# KiCad board Keyboard.kicad_pcb (continued)
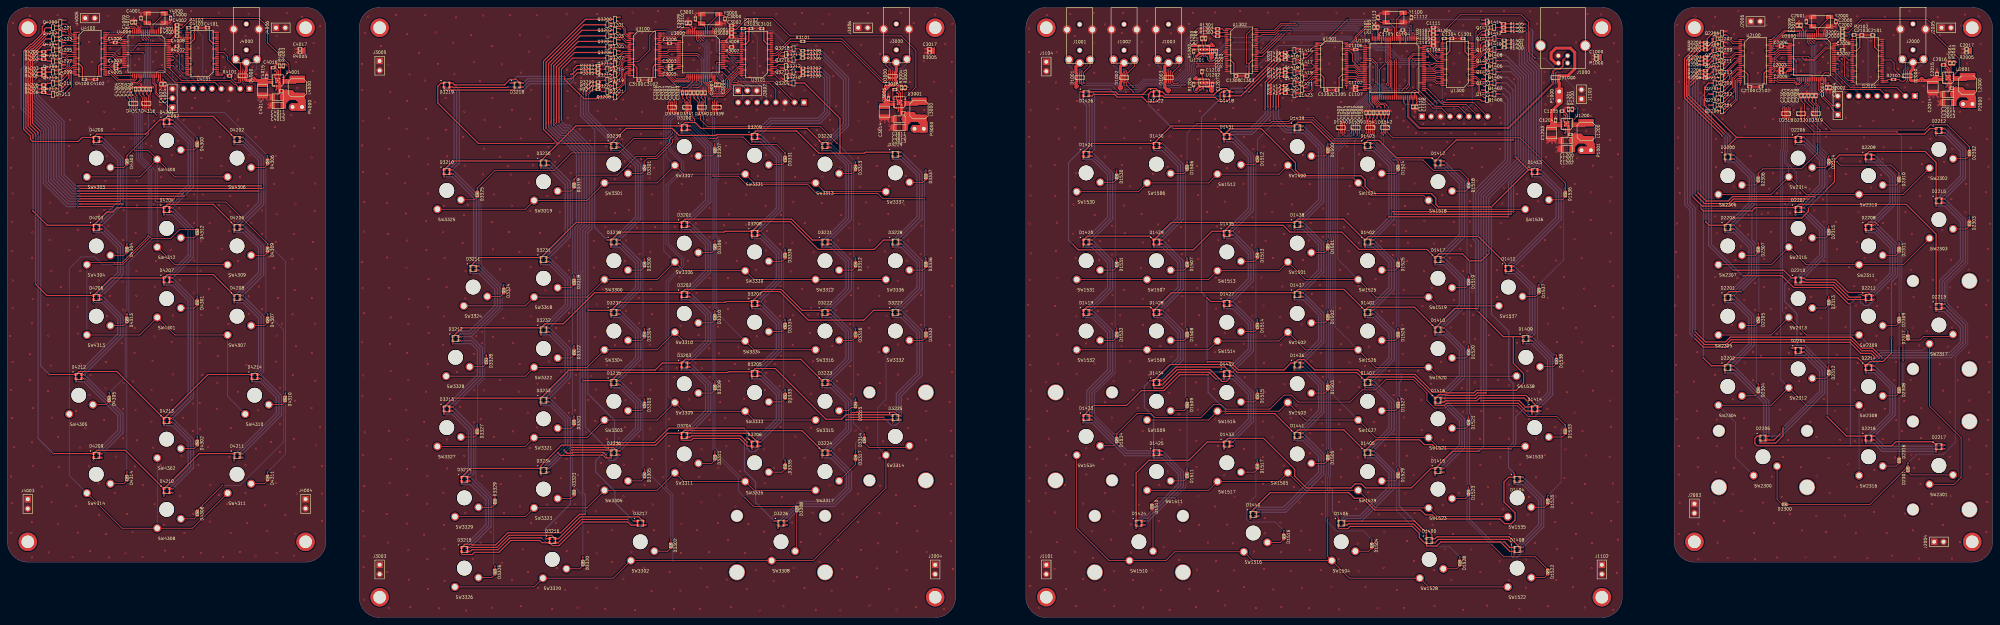
[diagram p0: board, top side]
## Routing (per net, layer and track width the routed paths; a pad name or vN(x,y) marks a point on that pad's centre or on a via; arc(x,y) is an arc through that point) (continued)
  In1.Cu w0.8: J1001.3 J1001.3 298.07,159 J1002.3 J1002.3 J1003.3 J1003.3 321.88,159.03 v2(323,157.9)
  In1.Cu w1: U1202.11 U1202.11 ; U1201.11 U1201.11
  vias: v1(0.85,144.38) v1(0.77,76.17) v1(0.92,61.61) v1(0.99,121.65) v1(1,38.17) v1(1.14,107.07) v1(1.15,30.91) v1(1.06,22.85) v1(1.22,53.97) v1(1.33,99.1) v1(1.45,137.95) v1(1.37,129.64) v1(1.38,114.67) v1(1.41,83.64) v1(1.38,69.12) v1(1.49,160.73) v1(1.47,91.15) v1(1.68,152.12) v1(1.75,46.05) v1(6.1,162.76) v1(6.11,71.19) v1(6.05,64.27) v1(6.65,97.33) v1(6.6,25.84) v1(6.68,79.58) v1(6.68,47.38) v1(6.68,16.28) v1(6.78,104.14) v1(6.81,86.21) v1(6.88,56.63) v1(6.98,41.07) v1(7.48,148.68) v1(8.67,145.07) v1(9.24,35.45) v1(10.89,84.61) v1(10.98,61.23) v1(11.07,76.28) v1(11.23,17.62) v1(11.42,112.21) v1(11.41,102.04) v1(11.83,68.15) v1(11.88,93.66) v1(11.93,31.18) v1(12.1,54.09) v1(13.54,162.94) v1(13.72,48.89) v1(13.75,25.21) v1(13.77,140.41) v1(14,40.68) v1(14.48,89.37) v1(16.18,109.38) v1(16.18,35.75) v1(16.56,127.52) v1(16.75,99.4) v1(16.91,134.58) v1(17.58,16.38) v1(18.54,55.83) v1(18.61,30.08) v1(18.77,160.18) v1(19.02,144.67) v1(19.03,122.22) v1(19.01,104.84) v1(18.98,84.06) v1(18.96,76.79) v1(19.1,22.99) v1(19.61,45.98) v1(19.72,93.69) v1(19.75,68.5) v1(21.08,51.32) v1(21.8,139.45) v1(22.03,155.65) v1(21.99,40.92) v1(22.17,132.62) v1(22.17,60.18) v1(22.29,17.96) v1(22.48,65.58) v1(22.88,150.28) v1(24.02,74.35) v1(24.64,91.14) v1(24.72,108.8) v1(24.65,36.31) v1(24.79,27.67) v1(26.14,53.48) v1(26.17,136.77) v1(26.17,110.28) v1(26.48,118.08) v1(26.48,61.97) v1(26.62,69.11) v1(26.64,22.57) v1(26.79,124.79) v1(26.9,81.54) v1(27.04,162.74) v1(27.24,144.99) v1(27.27,105.97) v1(27.38,16.28) v1(27.67,86.97) v1(27.77,153.97) v1(28.72,132.11) v1(28.97,33.66) v1(29.43,43.53) v1(30.17,152.47) v1(30.88,74.19) v1(31.1,90.86) v1(31.17,102.08) v1(31.17,83.28) v1(31.27,56.47) v1(31.27,48.47) v1(31.44,127.28) v1(31.38,110.17) v1(31.38,63.38) v1(31.86,17.35) v1(31.98,147.47) v1(32.25,27.98) v1(33.48,129.57) v1(33.77,156.97) v1(33.77,23.05) v1(33.98,122.47) v1(33.96,63.87) v1(34.34,71.5) v1(34.38,149.38) v1(34.4,78.33) v1(34.47,40.85) v1(34.64,103.95) v1(34.58,56.18) v1(34.84,87.04) v1(34.88,117.97) v1(34.87,93.68) v1(34.95,111.46) v1(34.96,47.94) v1(35.39,153.7) v1(36.48,16.38) v1(36.58,35.8) v1(37.27,133.47) v1(37.48,128.18) v1(38.88,127.47) v1(38.9,61.51) v1(38.87,53) v1(39.18,69.32) v1(39.38,155.97) v1(39.36,150.32) v1(39.37,45.95) v1(39.6,134.31) v1(39.67,111.78) v1(39.72,76.02) v1(39.73,30.72) v1(39.76,89.47) v1(40.08,96.37) v1(41.2,138.65) v1(41.28,111.67) v1(41.37,41.2) v1(41.53,119.09) v1(41.78,149.38) v1(42.18,25.09) v1(42.55,18.11) v1(43.78,147.38) v1(43.88,157.68) v1(44.07,99.46) v1(44.36,125.03) v1(44.36,74.47) v1(44.41,58.86) v1(44.65,65.75) v1(44.68,81.68) v1(45.58,145.47) v1(45.67,151.88) v1(45.78,149.07) v1(45.96,128.92) v1(46.47,110.66) v1(46.57,91.29) v1(46.67,146.47) v1(46.7,32.92) v1(47.01,43.65) v1(47.17,151.97) v1(47.28,148.28) v1(47.42,54) v1(47.47,16.38) v1(47.58,134.57) v1(47.78,22.88) v1(49.57,164.01) v1(49.67,160.62) v1(49.8,137.75) v1(50.08,50.47) v1(50.17,57.88) v1(50.19,28.08) v1(50.31,114.43) v1(50.28,87.88) v1(50.38,106.67) v1(50.38,96.58) v1(50.7,140.45) v1(51.47,146.38) v1(51.58,153.97) v1(51.59,41.33) v1(51.83,132.5) v1(51.89,74.32) v1(51.9,58.02) v1(51.98,50.95) v1(52.16,93.66) v1(52.2,17.53) v1(52.32,101.75) v1(52.38,124.28) v1(52.38,81.78) v1(52.61,65.6) v1(52.75,114.41) v1(53.67,147.68) v1(54.22,46.05) v1(54.44,88.79) v1(54.59,106.62) v1(54.82,35.93) v1(54.77,25.97) v1(56.62,56.51) v1(56.7,63.53) v1(56.82,159.89) v1(56.8,83.8) v1(56.77,70.74) v1(57.05,163.61) v1(57.08,111.58) v1(57.08,33.18) v1(57.3,130) v1(57.79,122.09) v1(57.83,99.72) v1(58.17,151.57) v1(58.28,16.38) v1(58.58,145.88) v1(58.67,148.78) v1(58.78,153.68) v1(59.32,30.69) v1(59.72,139.76) v1(59.68,79.41) v1(59.93,104.55) v1(59.92,43.49) v1(59.97,92.13) v1(60.17,113.97) v1(60.17,109.78) v1(60.3,51.28) v1(60.26,22.94) v1(61.17,107.17) v1(61.47,145.68) v1(62.21,134.68) v1(62.24,61.08) v1(62.31,96.46) v1(62.47,73.72) v1(62.73,119.14) v1(62.79,17.77) v1(64.28,157.24) v1(64.26,41.16) v1(64.29,33.68) v1(64.54,68.29) v1(64.75,25.6) v1(64.94,111.37) v1(65.12,163.29) v1(65.17,86.88) v1(65.28,82.17) v1(65.36,124.97) v1(65.88,106.78) v1(66.17,148.97) v1(67.02,129.98) v1(66.97,16.78) v1(67.14,45.7) v1(67.17,146.97) v1(67.69,56.03) v1(67.77,137.83) v1(67.88,89.5) v1(68.78,110.08) v1(68.78,103.67) v1(68.79,83.41) v1(69.61,30.37) v1(70.18,23.48) v1(70.67,97.47) v1(71.17,47.47) v1(72,94.52) v1(72.06,117.29) v1(72.29,132.63) v1(72.48,124.8) v1(72.49,101.58) v1(72.5,36.35) v1(72.59,69.24) v1(72.7,157.34) v1(72.71,109.04) v1(72.68,76.29) v1(72.7,17.54) v1(73.08,86.42) v1(73.58,62.17) v1(73.58,52.38) v1(73.58,44.78) v1(74.17,79.47) v1(75.04,27.7) v1(75.58,163.57) v1(76.67,135.88) v1(76.95,97.05) v1(76.98,120.16) v1(76.98,81.99) v1(77.09,65.63) v1(77.42,103.73) v1(77.39,48.36) v1(77.38,16.78) v1(77.49,127.45) v1(77.48,40.79) v1(77.55,88.56) v1(77.63,58.66) v1(77.75,22.73) v1(77.77,111.72) v1(77.93,150.16) v1(77.89,73.34) v1(78.12,33.53) v1(78.25,143.25) v1(79.53,162.41) v1(82.11,124.4) v1(82.13,56.69) v1(82.19,86.41) v1(82.19,71.54) v1(82.41,147.77) v1(82.53,101.58) v1(82.66,155.3) v1(82.85,132.41) v1(82.95,109.9) v1(82.99,139.33) v1(82.99,117.39) v1(82.99,79.51) v1(83.14,64) v1(83.24,94.29) v1(83.2,46.54) v1(84.47,159.97) v1(84.47,51.47) v1(84.93,26.16) v1(84.97,40.95) v1(84.98,33.55) v1(95.73,149.72) v1(95.79,142.65) v1(95.78,127.67) v1(95.78,96.1) v1(95.78,74.44) v1(95.88,89.04) v1(95.88,59.88) v1(95.97,43.88) v1(96.08,134.38) v1(96.08,120.47) v1(96.08,65.47) v1(96.08,28.78) v1(96.17,21.97) v1(96.17,13.68) v1(96.28,82.28) v1(96.38,112.38) v1(96.38,104.37) v1(96.38,35.57) v1(96.38,4.88) v1(96.47,50.07) v1(96.58,158.18) v1(97.45,162.53) v1(100.85,154.6) v1(102.45,112.12) v1(102.39,27.99) v1(102.53,120.02) v1(102.49,97.34) v1(102.59,12.38) v1(102.84,103.72) v1(102.8,20.31) v1(102.89,149.53) v1(102.94,2.55) v1(102.98,135.01) v1(103.05,50.53) v1(103.1,126.68) v1(103.06,89.18) v1(103.19,36.33) v1(103.33,74.03) v1(103.41,142.07) v1(103.36,59.09) v1(103.47,81.17) v1(103.45,66.61) v1(103.49,42.87) v1(104.93,163.01) v1(107.41,117.42) v1(107.62,109.31) v1(107.74,94.65) v1(107.72,56.18) v1(107.77,132.05) v1(107.83,25.42) v1(107.92,157.73) v1(107.91,139.65) v1(107.86,71.61) v1(107.96,101.96) v1(108.04,48.12) v1(107.95,40.25) v1(108,33.14) v1(108.33,86.19) v1(108.28,79.45) v1(108.26,64.17) v1(108.28,18.22) v1(108.49,124.69) v1(108.47,10.27) v1(108.59,146.88) v1(108.79,2.84) v1(111.1,152.7) v1(112.52,52.9) v1(112.49,22.43) v1(112.67,145.21) v1(112.83,162.85) v1(113.05,107.17) v1(113,61.1) v1(113.09,137.57) v1(113.13,99.37) v1(113.18,46.46) v1(113.44,68.49) v1(113.38,38.38) v1(113.37,30.77) v1(113.38,15.81) v1(113.49,129.53) v1(113.5,122.54) v1(113.52,114.69) v1(113.52,83.9) v1(113.61,7.79) v1(113.72,91.55) v1(113.71,76.98) v1(115.59,158.22) v1(116.29,149.75) v1(116.56,2.5) v1(117.63,73.78) v1(117.68,104.17) v1(117.74,33.77) v1(117.79,81.45) v1(117.91,111.36) v1(118.02,97.3) v1(117.96,25.05) v1(118.01,18.5) v1(118.03,9.87) v1(118.33,140.47) v1(118.42,131.92) v1(118.57,89.38) v1(118.68,124.73) v1(118.73,48.17) v1(118.71,40.31) v1(120.37,155.48) v1(120.69,146.92) v1(121.18,162.28) v1(121.38,66.47) v1(122.28,56.97) v1(122.91,101.3) v1(123.03,129.94) v1(123.29,108.81) v1(123.34,43.75) v1(123.39,136.81) v1(123.47,122.22) v1(123.63,86.31) v1(123.61,28.25) v1(123.7,93.65) v1(123.82,1.9) v1(124.28,111.58) v1(125.2,157.55) v1(125.66,15.85) v1(125.96,71.29) v1(125.97,52.78) v1(126.07,150.14) v1(126.07,61.47) v1(126.31,81.78) v1(126.57,76.08) v1(127.57,145.07) v1(127.8,53.62) v1(127.76,20.29) v1(128.13,77.35) v1(128.18,74.17) v1(128.17,38.29) v1(128.37,162.82) v1(128.36,119.87) v1(128.62,126.8) v1(128.59,61.42) v1(128.82,134.51) v1(130.26,68.72) v1(130.47,23.07) v1(130.91,154.56) v1(130.94,140.49) v1(130.86,106.95) v1(130.88,2.68) v1(131.07,99.6) v1(131.13,75.92) v1(131.29,114.43) v1(131.3,48.9) v1(132.91,124.61) v1(133.03,132.67) v1(132.96,94.18) v1(132.96,64.28) v1(133.16,56.4) v1(133.19,36.09) v1(133.46,149.59) v1(133.58,14.85) v1(133.92,81.02) v1(133.88,42.81) v1(134.06,28.32) v1(135.18,122.08) v1(135.42,104.28) v1(135.73,162.95) v1(135.79,88.58) v1(135.89,119.81) v1(136.24,137.18) v1(136.16,111.43) v1(136.21,10.27) v1(136.52,50.36) v1(136.57,74.31) v1(138.05,61.12) v1(138.24,98.84) v1(138.34,157.48) v1(138.29,68.61) v1(138.4,30.06) v1(138.53,38.36) v1(138.62,129.58) v1(138.66,147.36) v1(138.68,3.07) v1(139.12,18.43) v1(140.48,55.44) v1(140.59,124.81) v1(140.58,12.29) v1(140.76,117.63) v1(140.9,153.06) v1(141.09,134.81) v1(141.08,45.84) v1(141.2,109.96) v1(141.25,94.8) v1(141.31,142.76) v1(141.44,25.5) v1(141.48,81.43) v1(141.88,122.28) v1(143.05,162.85) v1(142.99,51.37) v1(143.12,63.26) v1(143.33,8.03) v1(143.76,103.95) v1(145.28,88.47) v1(145.5,84.03) v1(145.85,157.11) v1(145.79,113.96) v1(145.76,30.57) v1(146.07,127.17) v1(146.27,69.24) v1(147.08,2.33) v1(147.78,59.38) v1(147.88,123.28) v1(148.05,25.63) v1(148.23,97.35) v1(148.18,78.28) v1(148.4,13.42) v1(149,124.8) v1(149.14,109.57) v1(149.38,37.78) v1(149.57,66.58) v1(150.62,7.5) v1(150.98,163.13) v1(150.97,42.88) v1(150.98,18.05) v1(151.07,148.18) v1(151.23,142.38) v1(151.31,135.03) v1(151.57,100.58) v1(151.57,82.38) v1(151.57,55.38) v1(151.68,93.9) v1(151.68,74.78) v1(151.7,63.39) v1(152.09,120.28) v1(153.18,150.28) v1(153.27,56.06) v1(153.35,30.61) v1(153.38,144.57) v1(153.4,138.34) v1(153.57,65.67) v1(154.03,38.59) v1(153.95,2.71) v1(154.38,142.88) v1(154.68,132.18) v1(154.88,145.97) v1(156.18,50.07) v1(156.55,13.43) v1(156.8,23.05) v1(156.88,58.88) v1(157.38,128.97) v1(157.68,65.28) v1(157.97,150.47) v1(158.31,101.8) v1(158.36,94.67) v1(158.62,75.97) v1(158.71,53.13) v1(158.82,61.69) v1(158.84,28.71) v1(159.07,84.67) v1(159.07,17.34) v1(159.07,8.07) v1(159.18,146.07) v1(159.27,163.21) v1(159.35,136.93) v1(159.44,35.7) v1(160.28,41.78) v1(160.85,88.77) v1(161.43,2.31) v1(161.47,105.58) v1(161.72,127.38) v1(161.73,114.25) v1(161.85,68.24) v1(161.9,48.3) v1(163.28,65.67) v1(163.33,23.6) v1(163.31,15.07) v1(163.97,118.58) v1(164.02,73.65) v1(164.11,109.37) v1(164.28,134.74) v1(165.04,48.44) v1(165.38,132.18) v1(165.97,129.35) v1(166.21,140.05) v1(166.33,10.52) v1(166.4,41.38) v1(166.35,32.79) v1(166.68,123.38) v1(166.71,96.42) v1(166.72,51.48) v1(166.88,58.88) v1(166.97,101.97) v1(167.01,82.97) v1(167.78,110.28) v1(168.18,122.08) v1(168.4,63.38) v1(168.48,17.8) v1(168.8,163.63) v1(168.88,28.78) v1(169.3,144.65) v1(169.5,1.99) v1(170,105.46) v1(170.47,86.47) v1(170.47,79.58) v1(170.54,49) v1(170.68,98.38) v1(170.68,68.17) v1(170.68,60.07) v1(170.97,130.78) v1(171.07,124.08) v1(171.28,158.02) v1(171.28,136.71) v1(171.78,154.07) v1(172.01,126.84) v1(171.98,35.85) v1(171.99,13.47) v1(172.57,148.28) v1(173.38,118.78) v1(173.49,73.8) v1(173.63,142.83) v1(173.61,98.91) v1(173.61,61.6) v1(173.61,51.1) v1(173.66,88.82) v1(173.92,7.2) v1(174.09,114.43) v1(174.08,82.04) v1(174.08,42.86) v1(174.25,30.57) v1(174.6,121.58) v1(174.58,23.61) v1(174.88,105.58) v1(175.67,164.01) v1(176.38,130.88) v1(176.47,128.38) v1(176.57,67.17) v1(177.11,38.08) v1(178.61,46.43) v1(178.66,53.69) v1(178.8,12.3) v1(179.47,152.28) v1(179.95,2.27) v1(180.07,64.97) v1(180.28,105.67) v1(180.68,67.47) v1(180.88,146.78) v1(180.88,129.47) v1(181.23,71.57) v1(181.51,109.82) v1(181.48,92.09) v1(181.7,41.37) v1(181.72,7.29) v1(181.78,78.94) v1(181.86,17.44) v1(182.01,25.42) v1(182.06,117.23) v1(182.32,33.59) v1(183.15,163.61) v1(183.77,96.51) v1(183.96,58.98) v1(184.11,154.94) v1(184.81,124.83) v1(185.78,68.78) v1(185.88,106.58) v1(186.07,87.78) v1(186.22,23.62) v1(186.33,148.16) v1(186.62,76.43) v1(186.82,37.97) v1(186.88,154.07) v1(187.02,2.42) v1(187.18,13.32) v1(187.41,114.51) v1(187.41,45.5) v1(187.4,31.14) v1(187.47,67.38) v1(189,134.57) v1(188.98,8.24) v1(189.38,140.28) v1(189.47,72.78) v1(189.47,17.71) v1(189.57,110.67) v1(189.57,102.97) v1(189.57,91.78) v1(189.57,83.97) v1(189.57,64.97) v1(189.57,53.47) v1(190.38,156.18) v1(190.47,148.68) v1(191.84,25.64) v1(191.89,78.66) v1(191.99,40.37) v1(192.18,71.47) v1(192.24,33.05) v1(192.46,58.31) v1(192.97,146.78) v1(193.47,106.08) v1(193.79,140.12) v1(193.82,54.06) v1(193.9,117.42) v1(194.01,127.57) v1(194.06,101.36) v1(194.15,46.33) v1(194.22,10.3) v1(194.53,91.78) v1(194.55,83.44) v1(194.59,20.9) v1(194.78,109.02) v1(194.81,63.99) v1(195.33,2.87) v1(195.47,164.18) v1(195.97,148.78) v1(196.38,68.58) v1(196.56,30.05) v1(196.83,135.35) v1(196.92,96.48) v1(197.26,122.68) v1(197.38,73.08) v1(197.88,39.57) v1(198.93,59.17) v1(199.18,17.48) v1(199.32,160.53) v1(199.38,106.28) v1(199.48,114.36) v1(199.61,7.7) v1(199.94,86.48) v1(200.11,68.52) v1(200.06,25.31) v1(200.47,146.18) v1(201.38,155.78) v1(201.68,163.57) v1(201.68,151.28) v1(201.68,106.78) v1(202.06,94.07) v1(202.09,12.79) v1(202.27,137.17) v1(202.42,76.04) v1(202.62,119.38) v1(203.09,1.9) v1(203.18,149.18) v1(203.97,147.38) v1(204.22,45.49) v1(204.29,23.25) v1(204.53,61.57) v1(204.48,36.29) v1(204.72,111.39) v1(204.68,85.47) v1(204.78,125.08) v1(204.86,99.26) v1(204.88,66.17) v1(205.07,104.47) v1(206.07,18.47) v1(206.18,141.07) v1(206.82,27.52) v1(206.93,40.38) v1(206.86,9.98) v1(207.02,129.61) v1(207.2,68.57) v1(207.6,163.13) v1(207.68,153.78) v1(208.47,142.18) v1(208.47,62.67) v1(208.57,100.97) v1(208.57,81.58) v1(208.76,89.72) v1(208.78,51.57) v1(208.88,108.88) v1(208.88,70.78) v1(209.15,32.64) v1(209.52,3.03) v1(209.69,137.34) v1(211.64,93.61) v1(211.6,38.79) v1(211.68,141.47) v1(211.95,101.25) v1(211.87,59.05) v1(211.87,25.71) v1(212.02,73.72) v1(212.2,112.45) v1(212.16,81.74) v1(212.28,13.49) v1(212.4,126.87) v1(212.54,160.59) v1(212.48,65.62) v1(212.67,119.15) v1(212.75,48.95) v1(213.18,154.88) v1(214.25,20.48) v1(214.47,163.51) v1(214.56,88.92) v1(215.23,142.58) v1(215.24,43.22) v1(215.2,8.03) v1(215.27,106.7) v1(215.38,131.18) v1(216.28,81.88) v1(216.65,76.91) v1(216.93,83.82) v1(217,60.56) v1(216.96,51.33) v1(217.38,28.37) v1(217.49,69.3) v1(217.68,150.07) v1(217.74,125.03) v1(217.66,98.78) v1(218.18,127.88) v1(218.25,2.13) v1(218.43,154.61) v1(218.57,131.78) v1(218.78,81.97) v1(219.28,15.03) v1(219.5,22.68) v1(219.86,112.05) v1(220.09,160.48) v1(220.05,119.25) v1(220.18,129.88) v1(220.23,104.19) v1(221.95,163.11) v1(221.97,35.73) v1(222.12,134.6) v1(222.4,89.02) v1(222.52,7.27) v1(222.71,73.48) v1(222.9,152.82) v1(222.88,131.97) v1(222.97,146.38) v1(223.73,138.28) v1(223.78,83.08) v1(223.97,63.97) v1(224.18,101.97) v1(224.24,20.9) v1(224.67,45.45) v1(224.94,121.69) v1(224.91,1.94) v1(225.14,108.87) v1(225.33,13.18) v1(225.49,28.1) v1(226.88,160.16) v1(226.89,149.51) v1(227.35,105.46) v1(227.47,79.38) v1(227.47,67.97) v1(227.57,98.38) v1(227.68,60.47) v1(227.78,87.17) v1(227.86,129.23) v1(228.97,50.57) v1(229.44,10.94) v1(229.64,124.34) v1(229.61,33.5) v1(229.63,25.83) v1(229.66,89.05) v1(229.67,65.71) v1(229.79,134.39) v1(230.04,106.49) v1(230.07,144.75) v1(230.11,116.52) v1(230.18,74.45) v1(230.31,41.3) v1(230.51,18.34) v1(230.55,154.93) v1(231.88,112.25) v1(232.1,51.38) v1(232.32,94.71) v1(232.38,163.47) v1(232.43,139.32) v1(232.66,78.37) v1(232.77,3.28) v1(232.85,101.99) v1(234.7,122.13) v1(234.77,13.3) v1(235.07,132.15) v1(235.06,20.07) v1(235.25,71.78) v1(235.42,86.98) v1(235.45,28.31) v1(235.54,63.39) v1(235.48,43.23) v1(235.59,152.34) v1(235.65,35.65) v1(236.48,47.68) v1(237,99) v1(237.07,57.38) v1(237.38,81.67) v1(237.75,127.56) v1(237.85,109.16) v1(238.03,116.63) v1(238.08,7.74) v1(239.93,33.07) v1(240.15,25.51) v1(240.11,17.76) v1(240.07,2.18) v1(240.16,41.05) v1(240.36,91.09) v1(240.47,73.85) v1(240.45,65.7) v1(240.57,154.83) v1(241.18,163.57) v1(242.13,111.69) v1(242.48,129.63) v1(242.52,119.4) v1(242.77,82.97) v1(242.76,12.81) v1(242.98,96.53) v1(243.08,59.19) v1(243.08,51.3) v1(243.27,101.97) v1(243.68,144.78) v1(244.67,160.81) v1(244.97,124.87) v1(244.98,30.15) v1(245.36,2.87) v1(245.58,42.82) v1(245.69,23.32) v1(246.57,98.38) v1(246.68,87.17) v1(246.68,79.17) v1(246.77,105.97) v1(247.38,150.44) v1(247.55,137.29) v1(248.03,48.05) v1(248.12,55.82) v1(248.2,17.67) v1(250.22,144.9) v1(250.44,163.07) v1(252.89,2.27) v1(253.24,155.17) v1(254.38,81.38) v1(254.38,73.74) v1(254.38,58.28) v1(254.68,28.18) v1(254.77,97.26) v1(254.79,50.54) v1(254.77,36.18) v1(254.77,20.65) v1(254.88,142.28) v1(254.98,150.28) v1(255.03,135.37) v1(255.04,127.58) v1(254.99,43.67) v1(255.1,111.5) v1(255.09,89.67) v1(255.07,66.47) v1(255.18,160.47) v1(255.18,104.8) v1(255.3,13.14) v1(255.7,119.18) v1(275.6,84.63) v1(275.69,53.78) v1(275.84,152.92) v1(275.79,76.14) v1(275.88,159.28) v1(275.86,144.92) v1(275.89,130.01) v1(275.88,31.57) v1(275.88,16.28) v1(275.98,106.58) v1(275.97,91.36) v1(276.04,46.11) v1(275.98,37.68) v1(276.07,8.57) v1(276.24,114.13) v1(276.19,68.25) v1(276.26,137.16) v1(276.26,122.02) v1(276.27,98.47) v1(276.27,61.38) v1(276.27,23.07) v1(278.62,2.69) v1(280.32,33.61) v1(280.37,41.12) v1(280.48,63.64) v1(280.65,162.96) v1(280.78,55.88) v1(281.14,48.37) v1(282.73,122.44) v1(282.72,13.16) v1(282.78,113.93) v1(282.8,84.26) v1(282.89,28.43) v1(283.11,144.69) v1(283.1,99.12) v1(283.3,152.92) v1(283.38,106.8) v1(283.54,91.94) v1(283.47,76.5) v1(283.46,20.38) v1(283.55,137.52) v1(283.69,68.67) v1(283.89,129.51) v1(285.49,35.86) v1(285.83,43.98) v1(285.84,7.69) v1(286.35,59.02) v1(286.38,50.49) v1(286.98,163.28) v1(287.83,111.73) v1(287.78,103.83) v1(288.19,157.22) v1(288.23,132.51) v1(288.35,17.76) v1(288.41,97.33) v1(288.49,120.12) v1(288.47,3.11) v1(288.63,81.44) v1(288.69,65.95) v1(288.78,139.69) v1(288.9,88.8) v1(290.42,30.84) v1(290.43,10.44) v1(291.25,74.14) v1(291.29,45.74) v1(291.32,38.7) v1(292.89,23.31) v1(293.07,16.07) v1(293.27,163.51) v1(293.27,155.49) v1(293.47,147.22) v1(293.52,68.71) v1(293.57,108.92) v1(294.38,82.88) v1(294.77,96.67) v1(294.98,101.78) v1(295.6,139.29) v1(295.72,42.9) v1(296.22,7.46) v1(296.26,124.65) v1(296.37,160.38) v1(296.37,58.21) v1(296.41,33.7) v1(296.47,132.52) v1(297.95,21.09) v1(298.18,98.17) v1(298.18,54.1) v1(298.27,105.97) v1(298.27,79.47) v1(298.38,87.28) v1(298.63,28.71) v1(298.66,63.89) v1(298.71,12.52) v1(298.79,3.05) v1(300.45,81.71) v1(300.81,96.56) v1(300.81,73.35) v1(300.81,48.1) v1(300.88,158.07) v1(300.85,122.38) v1(301.18,163.57) v1(301.53,88.63) v1(301.6,137.69) v1(301.6,129.62) v1(301.55,111.44) v1(301.67,103.93) v1(301.71,41.41) v1(301.98,142.18) v1(303.04,116.59) v1(303.06,69.28) v1(303.36,25.2) v1(303.36,17.63) v1(303.84,10.16) v1(303.86,35.81) v1(303.98,61.55) v1(305.18,56.68) v1(305.56,30.56) v1(305.71,134.36) v1(305.93,127) v1(306.02,94.47) v1(306.24,155.72) v1(306.22,109.16) v1(306.49,86.24) v1(306.54,50.42) v1(306.56,101.43) v1(306.58,79.1) v1(306.56,2.72) v1(307.68,161.38) v1(308.17,65.6) v1(308.28,149.44) v1(308.93,12.75) v1(309.26,119.99) v1(310.68,106.32) v1(310.79,137.3) v1(310.88,26.06) v1(311.01,35.78) v1(311.28,73.44) v1(311.44,7.38) v1(311.62,114.91) v1(311.69,48.22) v1(311.78,89.07) v1(312.18,19.18) v1(313.27,121.86) v1(313.41,39.51) v1(313.48,83.08) v1(313.68,101.97) v1(313.79,130.11) v1(313.75,60.72) v1(313.81,2.11) v1(314.14,157.97) v1(314.27,70.58) v1(316.27,54.97) v1(316.38,134.26) v1(316.35,15.59) v1(316.51,50.79) v1(316.45,30.51) v1(316.61,23.48) v1(316.68,147.97) v1(316.88,105.58) v1(316.98,124.78) v1(317.07,79.38) v1(317.18,98.28) v1(317.22,86.9) v1(319.05,160.53) v1(319.17,7.76) v1(320.07,163.57) v1(320.86,73.68) v1(320.89,63.59) v1(320.87,2.89) v1(321.01,47.83) v1(321.07,40.72) v1(321.18,122.08) v1(321.27,89.08) v1(321.26,12.96) v1(321.54,129.33) v1(321.54,114.29) v1(321.54,97.04) v1(321.47,56.24) v1(321.58,32.76) v1(321.71,81.74) v1(321.7,25.07) v1(322.03,136.93) v1(323.88,142.47) v1(323.95,109.63) v1(324.2,20.3) v1(324.68,156.57) v1(325.88,61.78) v1(326,163.63) v1(326,134.81) v1(326.03,71.76) v1(326.15,53.58) v1(326.08,30.05) v1(326.24,91.96) v1(326.34,15.29) v1(326.38,83.56) v1(326.57,105.78) v1(326.75,116.42) v1(326.84,7.19) v1(326.85,46.44) v1(326.96,102.19) v1(327.08,127.21) v1(327.48,155.28) v1(328.64,76.9) v1(328.56,38.47) v1(328.68,3.28) v1(328.81,112.48) v1(329.27,121.51) v1(329.37,25.15) v1(330.94,20.09) v1(331,137.78) v1(331.11,145.49) v1(331.11,12.75) v1(331.32,32.7) v1(332.57,104.38) v1(332.68,85.38) v1(332.87,164.01) v1(333.74,117.25) v1(333.79,74.09) v1(333.85,129.92) v1(333.87,45.57) v1(333.92,8.24) v1(334.1,64.97) v1(335.88,30.38) v1(335.98,100.67) v1(336.18,108.38) v1(336.18,89.28) v1(336.18,81.67) v1(336.38,126.67) v1(336.56,17.84) v1(336.93,139.95) v1(337.08,2.54) v1(338.48,153.97) v1(338.48,143.97) v1(338.57,148.88) v1(338.59,91.96) v1(339.02,53.01) v1(339.02,43.38) v1(339.03,36.18) v1(339.07,155.47) v1(339.14,127.37) v1(339.12,84.37) v1(339.26,68.8) v1(339.31,13.16) v1(339.42,60.98) v1(339.47,76.08) v1(339.48,26.88) v1(339.47,22.8) v1(339.65,114.61) v1(339.7,101.83) v1(339.77,150.57) v1(340.35,163.61) v1(340.88,134.47) v1(341.53,109.59) v1(341.59,48.73) v1(341.73,97.21) v1(341.81,7.59) v1(342.16,122.48) v1(342.77,153.47) v1(343.68,81.19) v1(343.73,25.71) v1(343.8,73.76) v1(343.88,145.18) v1(343.91,17.72) v1(343.95,2.92) v1(344.01,117.19) v1(344.24,89.53) v1(344.38,140.57) v1(344.48,149.47) v1(344.58,41.1) v1(344.68,155.47) v1(344.66,129.35) v1(344.68,103.67) v1(344.8,63.21) v1(346.18,157.97) v1(346.18,105.88) v1(346.48,54.06) v1(346.51,12.53) v1(346.82,111.7) v1(346.91,139.79) v1(347.31,35.29) v1(348.07,57.38) v1(348.42,163.29) v1(348.86,31.12) v1(349.38,155.47) v1(349.43,79.28) v1(349.38,23.5) v1(349.47,7.91) v1(349.76,125.17) v1(349.82,96.71) v1(351.28,137.41) v1(351.42,2.52) v1(351.48,101.97) v1(351.62,117.18) v1(351.68,44.43) v1(351.66,18.26) v1(351.76,49.82) v1(351.88,106.67) v1(352.01,56.25) v1(352.07,151.28) v1(352.07,69.28) v1(352.18,87.47) v1(354.38,89.88) v1(354.59,71.47) v1(354.64,12.8) v1(354.74,142.03) v1(354.93,28) v1(354.98,52.47) v1(355.07,157.88) v1(355.07,84.28) v1(355.07,46.57) v1(355.07,36.68) v1(355.21,110.63) v1(355.18,102.97) v1(355.18,65.08) v1(355.38,92.28) v1(356.42,135.25) v1(356.79,149.81) v1(357.51,8.38) v1(358.38,154.18) v1(358.38,144.68) v1(358.88,163.57) v1(359.4,15.82) v1(359.52,31.24) v1(359.49,2.21) v1(359.57,52.28) v1(359.68,63.71) v1(359.78,94.05) v1(359.79,83.62) v1(359.85,56.19) v1(360,139.43) v1(360.07,73.92) v1(360.1,45.47) v1(360.07,37.99) v1(360.27,157.97) v1(360.48,121.47) v1(360.88,105.53) v1(361.71,127.41) v1(361.85,78.45) v1(362,109.18) v1(362.12,99.04) v1(362.36,68.99) v1(362.46,116.71) v1(364.07,29.47) v1(364.58,43.31) v1(364.57,20.02) v1(364.75,89.7) v1(364.81,12.5) v1(364.93,51) v1(364.98,125.28) v1(364.98,101.38) v1(364.98,62.38) v1(365.38,151.28) v1(366.3,163.33) v1(366.55,68.05) v1(366.48,46.47) v1(366.69,8.25) v1(366.8,104.33) v1(367.38,33.88) v1(367.59,73.28) v1(367.72,111.96) v1(368.57,118.78) v1(368.68,145.47) v1(368.77,148.88) v1(369.07,52.89) v1(369.13,18.15) v1(369.4,91.53) v1(369.95,2.49) v1(370.26,27.89) v1(370.55,122.49) v1(370.48,64.17) v1(370.68,150.97) v1(370.88,101.78) v1(371.18,82.78) v1(371.57,145.38) v1(371.57,13.45) v1(371.77,148.38) v1(371.81,23.26) v1(371.91,46.52) v1(373.1,66.7) v1(373.17,163.71) v1(374.07,98.08) v1(374.21,127.26) v1(374.18,79.58) v1(374.18,41.68) v1(374.29,106.22) v1(374.27,87.58) v1(374.27,60.18) v1(374.27,49.68) v1(375.12,7.51) v1(375.19,135.24) v1(376.07,148.88) v1(376.07,143.88) v1(376.57,151.78) v1(376.65,79.07) v1(376.72,71.36) v1(376.88,137.47) v1(376.98,134.28) v1(376.97,88.62) v1(377.05,54.1) v1(377.02,2.63) v1(377.27,145.24) v1(377.38,111.31) v1(377.52,121.5) v1(377.55,61.54) v1(377.46,33.57) v1(377.68,104.59) v1(377.81,153.15) v1(377.84,43.76) v1(377.86,96.36) v1(377.89,20.72) v1(378.18,132.57) v1(378.22,101.39) v1(379.57,148.97) v1(379.57,143.38) v1(379.66,38.46) v1(379.8,15.28) v1(379.88,135.38) v1(379.94,117.4) v1(379.95,28.27) v1(380.38,130.97) v1(380.65,163.31) v1(380.88,66.78) v1(381.79,58.79) v1(381.92,127.08) v1(381.87,50.76) v1(382.06,84.21) v1(382.27,133.47) v1(382.43,93.63) v1(382.59,107.32) v1(382.83,76.23) v1(382.8,8.05) v1(382.88,130.97) v1(384.27,143.97) v1(384.34,63.2) v1(384.59,89.18) v1(384.58,43.33) v1(384.79,24.99) v1(385.18,12.82) v1(385.27,101.16) v1(385.32,3.08) v1(387,69.14) v1(387.43,114.28) v1(387.52,30.53) v1(387.57,157.62) v1(387.58,48.03) v1(387.77,133.47) v1(388.05,18.44) v1(388.27,141.68) v1(388.77,128.68) v1(389.27,163.97) v1(389.48,97.28) v1(389.68,78.47) v1(389.88,130.97) v1(389.86,10.08) v1(389.98,141.99) v1(390.27,22.58) v1(390.48,149.83) v1(390.52,125.11) v1(390.55,106.98) v1(390.51,85.92) v1(390.57,37.78) v1(390.68,137.68) v1(392.01,33.75) v1(392.07,152.68) v1(392.07,144.78) v1(392.32,99.75) v1(392.68,62.08) v1(392.88,141.28) v1(393.03,160.12) v1(392.98,93.67) v1(393.07,137.97) v1(393.07,55.68) v1(393.08,2.12) v1(393.18,82.17) v1(393.27,133.57) v1(393.27,74.58) v1(394.88,112.58) v1(394.9,107.1) v1(395.18,100.58) v1(395.26,18.42) v1(395.41,126.96) v1(395.57,88.17) v1(395.75,81.83) v1(396.18,63.58) v1(396.27,130.88) v1(396.32,75.42) v1(396.38,141.07) v1(396.38,137.68) v1(396.84,118.16) v1(397.63,48.32) v1(397.71,41.27) v1(397.72,12.35) v1(397.88,163.97) v1(397.94,55.88) v1(398.07,121.82) v1(398.08,30.68) v1(398.98,133.38) v1(399.51,3.25) v1(399.71,35.23) v1(400.07,76.35) v1(400.38,25.33) v1(400.68,138.78) v1(400.68,68.4) v1(402.2,93.95) v1(402.21,86.69) v1(402.47,64.2) v1(402.88,130.88) v1(402.89,15.21) v1(402.99,135.2) v1(403.01,126.69) v1(403.06,53.96) v1(403.12,43.35) v1(403.19,106.6) v1(403.27,133.68) v1(403.64,111.97) v1(403.88,29.28) v1(404.07,163.97) v1(404.18,116.28) v1(405.29,102.42) v1(405.38,62.78) v1(405.36,48.37) v1(405.38,35.97) v1(405.5,10.03) v1(405.62,81.06) v1(405.78,22.58) v1(406.77,145.57) v1(407.48,55.88) v1(407.61,114.53) v1(407.58,74.3) v1(408.25,2.35) v1(408.38,41.42) v1(408.77,156.88) v1(409.07,95.08) v1(409.97,8.09) v1(410.1,15.71) v1(410.18,118.47) v1(410.18,107.19) v1(410.41,66.66) v1(410.49,27.84) v1(410.76,53.76) v1(410.81,32.62) v1(411.07,163.91) v1(412.2,92.04) v1(412.48,20.16) v1(412.73,48.43) v1(412.67,37.93) v1(412.97,160.61) v1(413.3,112.56) v1(413.47,60.89) v1(414.9,134.63) v1(415.02,147.54) v1(414.98,144.68) v1(415.16,102.08) v1(415.19,43.93) v1(415.27,138.78) v1(415.42,124.5) v1(415.78,56.37) v1(415.87,86.33) v1(415.87,79.5) v1(415.98,140.97) v1(415.97,3.05) v1(417.8,157.48) v1(417.94,25.83) v1(417.96,51.48) v1(418.03,32.77) v1(418.09,96.54) v1(418.22,10.14) v1(418.37,74.45) v1(418.45,18.55) v1(418.55,163.51) v1(419.33,105.68) v1(419.96,121.95) v1(420.02,83.62) v1(420.21,92.16) v1(420.17,68.88) v1(420.41,37.74) v1(420.68,45.44) v1(421.08,60.95) v1(422.37,145.59) v1(422.38,30.97) v1(422.37,16.05) v1(422.63,109.65) v1(422.66,8.27) v1(423.14,102.28) v1(423.13,55.44) v1(423.17,117.26) v1(423.51,78.38) v1(423.48,22.55) v1(423.56,155.55) v1(423.88,124.17) v1(425.01,97.17) v1(425.04,74.42) v1(425.34,66.58) v1(425.27,50.45) v1(425.58,137.34) v1(425.73,88.98) v1(425.92,36.12) v1(425.87,2.75) v1(426.13,43.84) v1(426.25,131.5) v1(426.62,163.19) v1(427.48,107.47) v1(427.57,135.68) v1(427.66,114.97) v1(427.75,28.26) v1(427.73,13.35) v1(427.85,20.17) v1(428.1,122.21) v1(428.1,61.36) v1(428.61,147.43) v1(428.66,84.2) v1(430.28,163.08) v1(432.61,43.37) v1(432.72,129.17) v1(432.79,145.33) v1(432.79,112.57) v1(432.77,96.28) v1(432.78,58.68) v1(432.87,137.73) v1(432.92,26.17) v1(433.03,103.94) v1(432.98,51.6) v1(433.07,119.2) v1(433.33,66.66) v1(433.43,81.19) v1(433.45,73.44) v1(433.54,89.58) v1(433.54,36.24) v1(433.58,2.09) v1(433.74,155.28) v1(434.57,12.07) v1(434.77,150.38) v1(434.77,31.28) v1(434.88,125.28) v1(434.88,21.07) v1(450.34,84.38) v1(450.52,98.93) v1(450.55,76.32) v1(450.57,68.38) v1(450.73,160.33) v1(450.68,53.64) v1(450.77,106.57) v1(450.87,60.93) v1(451.05,129.81) v1(451.07,121.47) v1(451.12,92.21) v1(451.26,144.92) v1(451.25,137.79) v1(451.3,38.67) v1(451.27,22.68) v1(451.38,152.18) v1(451.37,46.46) v1(451.52,114.84) v1(451.48,31.06) v1(455.39,63.82) v1(455.4,32.93) v1(455.78,162.56) v1(456.18,55.93) v1(456.27,71.76) v1(456.42,48.59) v1(456.38,40.65) v1(456.58,25.38) v1(456.55,15.78) v1(457.18,141.88) v1(458.18,144.68) v1(460.6,84.58) v1(460.66,159.85) v1(460.9,31.11) v1(461.03,108.48) v1(461.07,162.38) v1(461.14,92.06) v1(461.05,65.68) v1(461.27,121.88) v1(461.27,39.28) v1(461.38,129.48) v1(461.49,103.89) v1(461.53,53.52) v1(461.65,46.31) v1(461.73,20.25) v1(463.05,134.91) v1(463.46,26.18) v1(463.84,70.9) v1(464.48,16.07) v1(464.77,139.68) v1(465.71,79.16) v1(465.84,59.05) v1(465.83,33.32) v1(465.88,140.88) v1(466.03,127.48) v1(466.07,116.58) v1(466.2,157.7) v1(466.17,40.42) v1(466.56,96.67) v1(467.08,91.81) v1(467.38,163.97) v1(467.77,105.97) v1(468.07,100.38) v1(468.21,45.93) v1(468.19,28.76) v1(468.91,141.94) v1(468.91,53.87) v1(468.98,85.94) v1(469.04,68.97) v1(469.08,132.77) v1(469.98,103.58) v1(470.11,108.94) v1(470.63,124.8) v1(471.13,152.77) v1(471.27,71.88) v1(471.27,64.17) v1(471.61,22.85) v1(471.75,137.77) v1(471.88,90.47) v1(471.88,83.28) v1(471.86,35.5) v1(471.87,15.79) v1(472.68,147.28) v1(473.46,70.86) v1(473.68,109.21) v1(474.02,31.11) v1(474.32,89.45) v1(474.37,97) v1(475.38,109.47) v1(475.68,115.97) v1(475.77,127.7) v1(476.11,83.38) v1(476.18,142.55) v1(476.22,104.3) v1(476.47,38.13) v1(476.61,65.95) v1(476.65,120.14) v1(476.78,134.78) v1(476.95,25.62) v1(477.68,76.78) v1(477.78,114.71) v1(477.77,16.28) v1(478.27,162.38) v1(478.58,56.26) v1(479.1,151.4) v1(479.08,32.65) v1(479.37,43.48) v1(479.98,111.88) v1(480.18,83.78) v1(480.79,47.99) v1(480.88,156.57) v1(480.98,88.78) v1(480.99,71.53) v1(481.08,117.12) v1(481.25,132.27) v1(481.27,109.38) v1(481.28,27.97) v1(481.68,97.17) v1(482.04,78.55) v1(482.3,137.3) v1(483.69,155.35) v1(483.78,64) v1(484.07,114.88) v1(484.28,147.88) v1(484.32,102.04) v1(484.27,76.78) v1(484.25,40.63) v1(484.56,23.55) v1(485.07,152.97) v1(485.48,16.28) v1(486.2,137.6) v1(486.2,135.5) v1(486.57,119.34) v1(486.62,115.95) v1(486.79,52.9) v1(487.02,86.78) v1(487.17,132.97) v1(487.88,110.08) v1(488.43,48.82) v1(488.42,27.54) v1(488.47,38.41) v1(489.3,147.4) v1(489.58,133.57) v1(489.61,80.92) v1(489.7,154.8) v1(490.17,113.08) v1(490.38,107.08) v1(490.48,59.07) v1(490.58,96.38) v1(491.08,132.18) v1(491.09,130.04) v1(491.06,23.18) v1(491.59,149.93) v1(491.67,146.38) v1(491.65,137.84) v1(491.74,43.21) v1(492.04,119.36) v1(491.99,33.64) v1(492.7,156.3) v1(493.38,16.47) v1(493.55,55.97) v1(493.6,142.8) v1(493.75,106.98) v1(493.71,83.9) v1(493.87,71.08) v1(493.97,99.59) v1(494.17,63.25) v1(494.88,48.07) v1(495.17,124.17) v1(495.27,147.68) v1(495.38,151.07) v1(495.4,144.7) v1(496.08,162.18) v1(496.17,27.59) v1(496.3,78.64) v1(496.43,119.89) v1(496.48,135.18) v1(496.64,126.65) v1(496.59,51.06) v1(496.67,150.07) v1(496.88,146.57) v1(497.03,41.43) v1(497.24,94.72) v1(498.58,143.88) v1(498.68,89.64) v1(498.74,61.47) v1(498.77,47.7) v1(499.06,22.93) v1(499.17,84.38) v1(499.38,101.57) v1(499.35,35.41) v1(499.48,162.57) v1(499.56,68.88) v1(499.77,139.28) v1(499.8,109.59) v1(500.1,132.95) v1(500.17,123.38) v1(500.67,47.88) v1(501,150.39) v1(501.08,143.97) v1(501.24,129.82) v1(501.27,56.27) v1(501.42,97.18) v1(502.19,160.83) v1(502.2,16.04) v1(502.77,70.47) v1(503.1,155.93) v1(503.09,146.27) v1(503.17,116.28) v1(503.84,134.21) v1(503.89,28.56) v1(504.08,39.88) v1(504.46,91.35) v1(504.68,76.15) v1(504.88,144.07) v1(504.86,84.23) v1(505.83,119.65) v1(506.27,123.97) v1(506.34,48.27) v1(506.38,106.66) v1(506.58,127.17) v1(506.88,162.47) v1(506.88,56.47) v1(507.4,22.86) v1(507.77,89.17) v1(507.9,148.5) v1(508.77,16.78) v1(509.1,137.32) v1(509.2,32.76) v1(509.29,157.51) v1(509.38,146.78) v1(509.47,64.19) v1(509.65,43.29) v1(509.76,90.18) v1(509.96,69.18) v1(509.98,53.38) v1(510.48,148.38) v1(511.54,50.42) v1(511.88,116.28) v1(512.14,58.57) v1(512.27,143.38) v1(512.33,28.13) v1(512.48,109.67) v1(513.58,163.97) v1(513.88,127.08) v1(513.89,94.08) v1(513.86,64.17) v1(514.08,44.07) v1(514.19,103.8) v1(514.41,78.45) v1(514.54,134.24) v1(514.49,23.59) v1(514.68,86.69) v1(514.77,40.47) v1(516.12,147.3) v1(516.08,42.78) v1(516.17,73.58) v1(516.17,15.97) v1(516.43,114.11) v1(516.53,36.08) v1(516.64,56.59) v1(516.67,48.57) v1(516.88,122.67) v1(517.12,139.45) v1(517.38,143.68) v1(518.2,77.42) v1(518.77,119.08) v1(519.19,129.47) v1(519.19,99.34) v1(519.23,83.89) v1(519.58,30.7) v1(519.9,91.33) v1(521.17,162.38) v1(521.48,51.16) v1(521.7,68.66) v1(521.79,157.52) v1(522.35,134.58) v1(522.45,104.71) v1(522.61,119.09) v1(522.6,61.38) v1(522.56,24.99) v1(522.93,123.26) v1(523.67,152.38) v1(523.87,73.29) v1(524.4,43.46) v1(524.6,89.29) v1(524.59,55.69) v1(524.64,32.81) v1(524.8,96.77) v1(524.88,113.17) v1(525.11,78.43) v1(525.08,15.97) v1(525.17,126.78) v1(526.56,83.94) v1(526.56,64.14) v1(527.19,136.82) v1(527.16,20.39) v1(527.6,160.09) v1(528.52,163.09) v1(528.67,109.58) v1(528.89,117.22) v1(529.1,149.84) v1(529.25,144) v1(529.56,94.11) v1(529.65,71.67) v1(529.64,48.16) v1(529.73,58.71) v1(530.01,132.34) v1(529.99,40.6) v1(532.25,162.58) v1(532.74,155.04) v1(534.14,115.01) v1(534.27,84.58) v1(534.32,46.48) v1(534.32,23.17) v1(534.44,129.36) v1(534.44,75.8) v1(534.58,38.78) v1(534.58,31.24) v1(534.68,99.74) v1(534.73,53.47) v1(534.75,91.17) v1(534.87,121.92) v1(535.03,60.92) v1(535.1,140.14) v1(535.14,69.12) v1(535.29,147.84) v1(535.36,106.51)
